# Altium PCB badge.pcbdoc
Units mm, origin at the board's own origin, x right, y up, seen from the top; angles counter-clockwise.
Board outline 243.33 x 129.71 mm, 2 copper layers (Top Layer, Bottom Layer); 75 components, 45 nets, 226 pads, 128 vias.
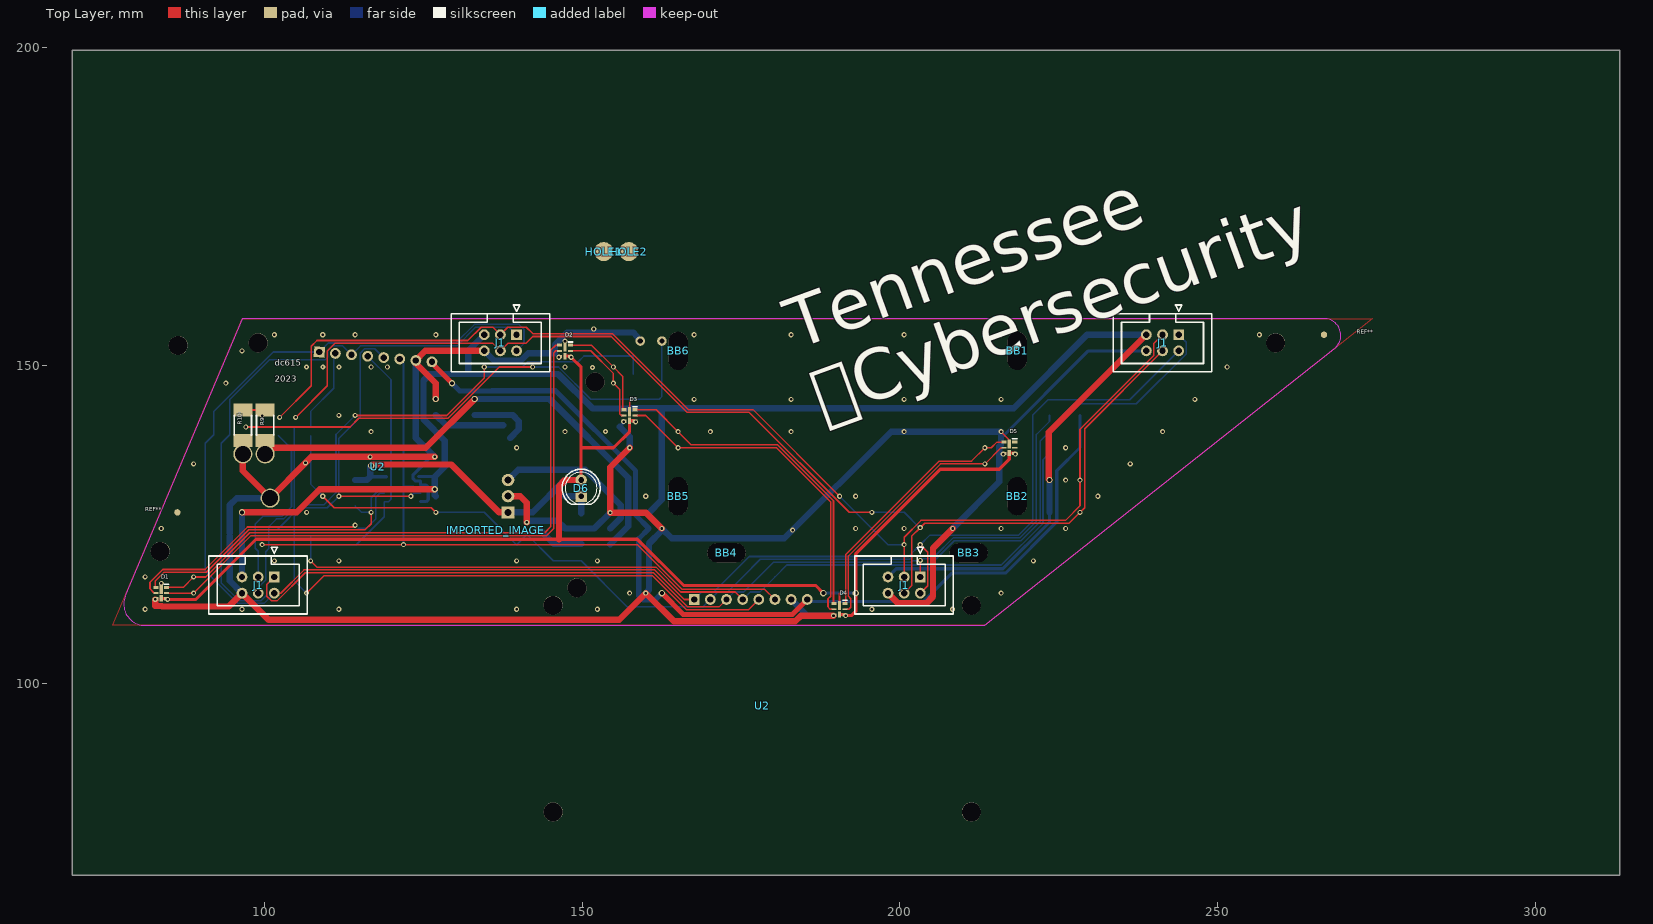
[diagram p0: Top Layer view]
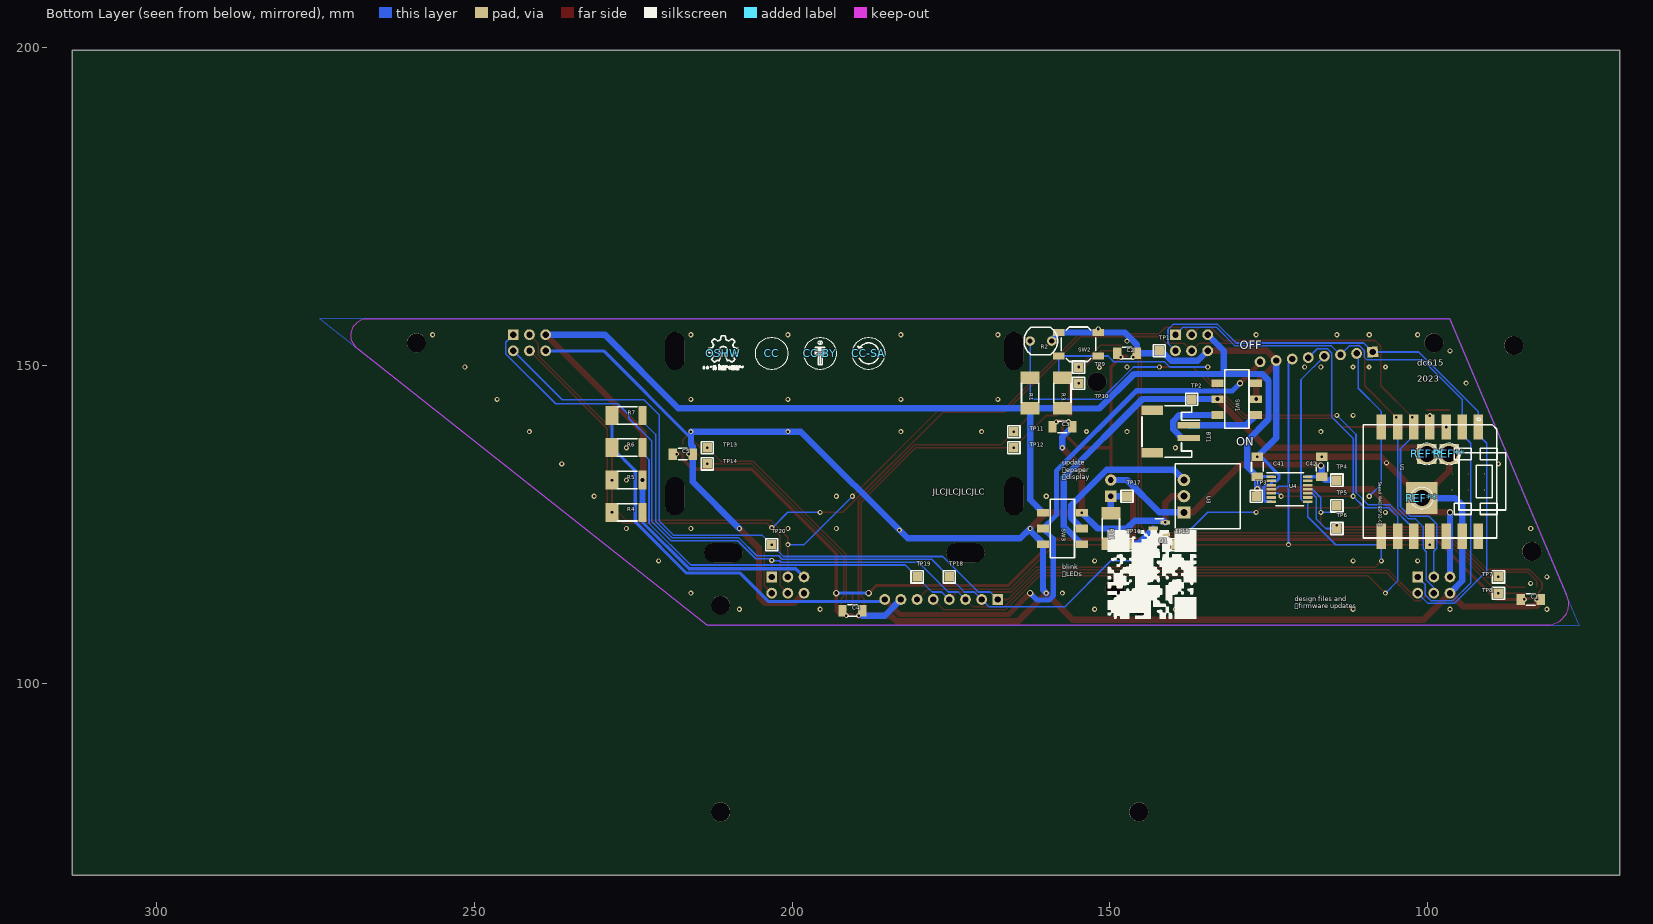
[diagram p1: Bottom Layer view, seen from below]

## Layer stack, top to bottom
Top Layer: signal copper (thickness not stored)
Dielectric: dielectric 0.32, FR-4, Dk 4.8
Bottom Layer: signal copper (thickness not stored)

## Board outline
313.181,69.85 69.85,69.85 69.85,199.56 313.181,199.56

## Components (designator, comment, footprint, x,y, rotation, side; value= is the part's Value field where it differs from the comment)
BB1 "MountingHole_2.2mm_M2_DIN965_Pad" MountingHole:MountingHole_2.2mm_M2_DIN965_Pad 218.44,152.308 r0 top
BB2 "MountingHole_2.2mm_M2_DIN965_Pad" MountingHole:MountingHole_2.2mm_M2_DIN965_Pad 218.44,129.448 r0 top
BB3 "MountingHole_2.2mm_M2_DIN965_Pad" MountingHole:MountingHole_2.2mm_M2_DIN965_Pad 210.82,120.558 r90 top
BB4 "MountingHole_2.2mm_M2_DIN965_Pad" MountingHole:MountingHole_2.2mm_M2_DIN965_Pad 172.72,120.558 r90 top
BB5 "MountingHole_2.2mm_M2_DIN965_Pad" MountingHole:MountingHole_2.2mm_M2_DIN965_Pad 165.1,129.448 r0 top
BB6 "MountingHole_2.2mm_M2_DIN965_Pad" MountingHole:MountingHole_2.2mm_M2_DIN965_Pad 165.1,152.308 r0 top
BT1 "Battery" Connector_JST:JST_PH_S2B-PH-SM4-TB_1x02-1MP_P2.00mm_Horizontal 140.454,139.608 r270 bottom
C1 "1u" Capacitor_SMD:C_1206_3216Metric_Pad1.33x1.80mm_HandSolder 83.82,113.208 r180 bottom
C2 "1u" Capacitor_SMD:C_1206_3216Metric_Pad1.33x1.80mm_HandSolder 147.32,151.958 r180 bottom
C3 "1u" Capacitor_SMD:C_1206_3216Metric_Pad1.33x1.80mm_HandSolder 157.48,140.348 r180 bottom
C4 "1u" Capacitor_SMD:C_1206_3216Metric_Pad1.33x1.80mm_HandSolder 190.5,111.468 r180 bottom
C5 "1u" Capacitor_SMD:C_1206_3216Metric_Pad1.33x1.80mm_HandSolder 217.204,136.066 r180 bottom
C41 "1u" Capacitor_SMD:C_1206_3216Metric_Pad1.33x1.80mm_HandSolder 126.83,134.065 r90 bottom
C42 "1u" Capacitor_SMD:C_1206_3216Metric_Pad1.33x1.80mm_HandSolder 116.67,134.065 r90 bottom
CC "Symbol_CreativeCommons_Silkscreen_Type2_Small" extra:Symbol_CreativeCommons_Silkscreen_Type2_Small 203.2,151.904 r180 bottom
CC-BY "Symbol_CC-Attribution_Silkscreen_Small" extra:Symbol_CC-Attribution_Silkscreen_Small 195.58,151.904 r180 bottom
CC-SA "Symbol_CC-ShareAlike_Silkscreen_Small" extra:Symbol_CC-ShareAlike_Silkscreen_Small 187.96,151.904 r180 bottom
D1 "APA102" led_smd:led-apa102-2020 83.82,114.208 r180 top
D2 "APA102" led_smd:led-apa102-2020 147.32,152.308 r180 top
D3 "APA102" led_smd:led-apa102-2020 157.48,142.148 r180 top
D4 "APA102" led_smd:led-apa102-2020 190.5,111.668 r180 top
D5 "APA102" led_smd:led-apa102-2020 217.204,137.066 r180 top
D6 "LED" LED_THT:LED_D5.0mm 149.86,129.448 r90 top
HOLE1 "device_ef4b" footprint_742a#1 153.416,167.929 r0 bottom
HOLE2 "device_ef4b" footprint_742a#2 157.353,167.929 r0 top
IMPORTED_IMAGE "IMPORTED_IMAGE" IMPORTED_IMAGE 136.398,124.114 r0 top
J1 "SAO V.1.69bis master" Connector_IDC:IDC-Header_2x03_P2.54mm_Vertical 243.84,154.848 r270 top
J1 "SAO V.1.69bis master" Connector_IDC:IDC-Header_2x03_P2.54mm_Vertical 139.7,154.848 r270 top
J1 "SAO V.1.69bis master" Connector_IDC:IDC-Header_2x03_P2.54mm_Vertical 203.2,116.748 r270 top
J1 "SAO V.1.69bis master" Connector_IDC:IDC-Header_2x03_P2.54mm_Vertical 101.6,116.748 r270 top
OSHW "OSHW-Logo2_7.3x6mm_SilkScreen" Symbol:OSHW-Logo2_7.3x6mm_SilkScreen 210.82,151.904 r180 bottom
Q1 "BSS138" Package_TO_SOT_SMD:SOT-23 142.24,124.368 r0 bottom
R1 "10k" Resistor_SMD:R_2010_5025Metric_Pad1.40x2.65mm_HandSolder 162.56,145.701 r90 bottom
R2 "LDR07" OptoDevice:R_LDR_5.1x4.3mm_P3.4mm_Vertical 162.56,153.855 r180 bottom
R3 "10k" Resistor_SMD:R_2010_5025Metric_Pad1.40x2.65mm_HandSolder 157.48,145.701 r90 bottom
R4 "10k" resistor_smd:r_2010_5025metric_pad1.40x2.65mm_handsolder#1 225.92,126.908 r0 bottom
R5 "10k" resistor_smd:r_2010_5025metric_pad1.40x2.65mm_handsolder#1 225.92,131.988 r0 bottom
R6 "10k" resistor_smd:r_2010_5025metric_pad1.40x2.65mm_handsolder#2 225.92,137.108 r180 bottom
R7 "10k" resistor_smd:r_2010_5025metric_pad1.40x2.65mm_handsolder#3 225.92,142.148 r180 bottom
R9 "100k" Resistor_SMD:R_2010_5025Metric_Pad1.40x2.65mm_HandSolder 100.159,140.608 r90 top
R10 "100k" Resistor_SMD:R_2010_5025Metric_Pad1.40x2.65mm_HandSolder 96.649,140.608 r270 top
R11 "150" Resistor_SMD:R_2010_5025Metric_Pad1.40x2.65mm_HandSolder 149.86,124.368 r270 bottom
REF** "Fiducial_1mm_Mask3mm" Fiducial:Fiducial_1mm_Mask3mm 266.7,154.848 r0 top
REF** "Fiducial_1mm_Mask3mm" Fiducial:Fiducial_1mm_Mask3mm 86.36,126.908 r0 top
REF** "TestPoint_Pad_D3.0mm" TestPoint:TestPoint_Pad_D3.0mm#1 100.159,136.093 r180 bottom
REF** "TestPoint_Pad_D3.0mm" TestPoint:TestPoint_Pad_D3.0mm#2 100.95,129.148 r180 bottom
REF** "TestPoint_Pad_D3.0mm" TestPoint:TestPoint_Pad_D3.0mm#1 96.649,136.093 r180 bottom
SW1 "power" "extra:MSS-22D18G2 hand-solderable" 130.05,144.728 r90 bottom
SW2 "SW_Push" Button_Switch_SMD:SW_SPST_SKQG_WithoutStem 154.94,153.348 r180 bottom
SW3 "update epaper" "extra:MSS-22D18G2 hand-solderable" 157.48,124.368 r270 bottom
TP1 "0V" TestPoint:TestPoint_Pad_1.5x1.5mm 142.24,152.308 r180 bottom
TP2 "3.8V" TestPoint:TestPoint_Pad_1.5x1.5mm 137.16,144.688 r180 bottom
TP3 "3.3V" TestPoint:TestPoint_Pad_1.5x1.5mm 127,129.448 r180 bottom
TP4 "5V" TestPoint:TestPoint_Pad_1.5x1.5mm 114.3,131.988 r180 bottom
TP5 "D1in" TestPoint:TestPoint_Pad_1.5x1.5mm 114.3,127.918 r180 bottom
TP6 "D1clk" TestPoint:TestPoint_Pad_1.5x1.5mm 114.3,124.368 r180 bottom
TP7 "D2in" TestPoint:TestPoint_Pad_1.5x1.5mm 88.9,116.748 r180 bottom
TP8 "D2clk" TestPoint:TestPoint_Pad_1.5x1.5mm 88.9,114.208 r180 bottom
TP9 "D3in" TestPoint:TestPoint_Pad_1.5x1.5mm 154.94,149.768 r180 bottom
TP10 "D3clk" TestPoint:TestPoint_Pad_1.5x1.5mm 154.94,147.228 r180 bottom
TP11 "D4in" TestPoint:TestPoint_Pad_1.5x1.5mm 165.1,139.608 r180 bottom
TP12 "D4clk" TestPoint:TestPoint_Pad_1.5x1.5mm 165.1,137.068 r180 bottom
TP13 "D5in" TestPoint:TestPoint_Pad_1.5x1.5mm 213.36,137.068 r180 bottom
TP14 "D5clk" TestPoint:TestPoint_Pad_1.5x1.5mm 213.36,134.528 r180 bottom
TP15 "Qin" TestPoint:TestPoint_Pad_1.5x1.5mm 139.7,121.828 r180 bottom
TP16 "Qout" TestPoint:TestPoint_Pad_1.5x1.5mm 147.32,121.828 r180 bottom
TP17 "LEDin" TestPoint:TestPoint_Pad_1.5x1.5mm 147.32,129.448 r180 bottom
TP18 "/RST" TestPoint:TestPoint_Pad_1.5x1.5mm 175.26,116.748 r180 bottom
TP19 "/CS" TestPoint:TestPoint_Pad_1.5x1.5mm 180.34,116.748 r180 bottom
TP20 "BUSY" TestPoint:TestPoint_Pad_1.5x1.5mm 203.2,121.828 r180 bottom
U1 "Seeed XIAO ESP32-C3" "extra:Seeed XIAO ESP32-C3 hand-solderable" 110.178,140.665 r270 bottom
U2 "MH-ET_epaper_ 2.13" "extra:MH-ET_epaper_ 2.13" 167.64,113.208 r0 top
U2 "MH-ET_epaper_ 2.13" "extra:MH-ET_epaper_ 2.13" 108.68,152.131 r355 top
U3 "5V boost converter" "extra:boost converter module" 138.365,126.908 r270 bottom
U4 "TXS0104EPWR" Package_SO:TSSOP-14_4.4x5mm_P0.65mm 121.75,130.548 r180 bottom

## Footprints (in the part's own frame and the unit in brackets; to place one, negate y for a bottom-side part, rotate by r counter-clockwise, add the part's x,y. Pads: shape width x height; smd on the part's side, far side on the other; paste and mask are expansions set on the pad)
Button_Switch_SMD:SW_SPST_SKQG_WithoutStem [mm]
  rect 1.8x1.1 smd paste+0 mask+0.051: 1(-3.1,1.85) 2(-3.1,-1.85) 3(3.1,1.85) 4(3.1,-1.85)
  silkscreen extent -2.72,-2.72 2.72,2.72
Capacitor_SMD:C_1206_3216Metric_Pad1.33x1.80mm_HandSolder [mm]
  rect 1.325x1.8 smd paste+0 mask+0.051: 1(-1.562,0) 2(1.562,0)
  silkscreen extent -0.71,-0.91 0.71,0.91
Connector_IDC:IDC-Header_2x03_P2.54mm_Vertical [mm]
  rect 1.7x1.7 hole 1 paste+0 mask+0.051: 1(0,0)
  round 1.7 hole 1 paste+0 mask+0.051: 2(2.54,0) 3(0,-2.54) 4(2.54,-2.54) 5(0,-5.08) 6(2.54,-5.08)
  silkscreen extent -4.68,-10.29 5.83,5.21
Connector_JST:JST_PH_S2B-PH-SM4-TB_1x02-1MP_P2.00mm_Horizontal [mm]
  rect 1x3.5 smd paste+0 mask+0.051: 1(-1,2.85) 2(1,2.85)
  rect 1.5x3.4 smd paste+0 mask+0.051: 3(3.35,-2.9) MP(-3.35,-2.9)
  silkscreen extent -4.06,-4.51 4.06,4.6
"extra:boost converter module" [mm]
  rect 1.905x2 hole 1.1 paste+0 mask+0.051: 1(0,0)
  oval 1.905x2 hole 1.1 paste+0 mask+0.051: 2(-2.54,0) 3(-5.08,0)
  silkscreen extent -7.66,-1.37 2.58,8.87
"extra:MH-ET_epaper_ 2.13" [mm]
  rect 1.7x1.7 hole 1 paste+0 mask+0.051: 1(0,0)
  round 1.7 hole 1 paste+0 mask+0.051: 2(2.54,0) 3(5.08,0) 4(7.62,0) 5(10.16,0) 6(12.7,0) 7(15.24,0) 8(17.78,0)
  round 3 hole 3 unplated paste+0 mask+0.051: 9(-22.2,-33.42) 10(43.6,-0.92) 11(43.6,-33.42) 12(-22.2,-0.92)
"extra:MSS-22D18G2 hand-solderable" [mm]
  rect 1.2x1.9 smd paste+0 mask+0.051: 1(-2.5,3.05) 2(0,3.05) 3(2.5,3.05) 4(-2.5,-3.05) 5(0,-3.05) 6(2.5,-3.05)
  silkscreen extent -4.61,-1.91 4.61,1.91
"extra:Seeed XIAO ESP32-C3 hand-solderable" [mm]
  rect 4x1.5 smd paste+0 mask+0.051: 1(0.333,18.118) 2(0.333,15.578) 3(0.333,13.038) 4(0.333,10.498) 5(0.333,7.958) 6(0.333,5.418) 7(0.333,2.878) 8(17.498,2.878) 9(17.498,5.418) 10(17.498,7.958) 11(17.498,10.498) 12(17.498,13.038) 13(17.498,15.578) 14(17.498,18.118)
  round 3 hole 2.5 paste+0 mask+0.051: 15(4.572,10.019) 16(4.572,13.529) GND(11.517,9.228)
  round 0.1 smd paste+0 mask+0.051: 17(7.699,19.068) 18(10.239,19.068) 19(7.699,16.528) 20(10.239,16.528) 21(7.699,13.988) 22(10.239,13.988)
  silkscreen extent -1.14,0 17.8,22.42
extra:Symbol_CC-Attribution_Silkscreen_Small [mm]
  silkscreen extent -2.54,-2.54 2.54,2.54
extra:Symbol_CC-ShareAlike_Silkscreen_Small [mm]
  silkscreen extent -2.54,-2.54 2.54,2.54
extra:Symbol_CreativeCommons_Silkscreen_Type2_Small [mm]
  silkscreen extent -2.54,-2.54 2.54,2.54
Fiducial:Fiducial_1mm_Mask3mm [mm]
  round 1 smd paste+0 mask+1: 1(0,0)
footprint_742a#1 [mm]
  round 3 smd far side paste+0 mask+0.051: 1(0,0)
footprint_742a#2 [mm]
  round 3 smd paste+0 mask+0.051: 1(0,0)
IMPORTED_IMAGE [mm]
led_smd:led-apa102-2020 [mm]
  rect 0.8x0.5 smd paste+0 mask+0.051: 1(-0.85,0.9) 3(-0.85,-0.9) 4(0.85,-0.9) 8(0.85,0.9)
  rect 0.8x0.3 smd paste+0 mask+0.051: 2(-0.85,0) 5(0.85,0)
  rect 0.5x1.448 smd paste+0 mask+0.051: 6(0,-0.59)
  rect 0.5x0.991 smd paste+0 mask+0.051: 7(0,0.83)
  silkscreen extent -1.2,-1.4 -0.5,-1.4
LED_THT:LED_D5.0mm [mm]
  rect 1.8x1.8 hole 0.9 paste+0 mask+0.051: 1(0,0)
  round 1.8 hole 0.9 paste+0 mask+0.051: 2(2.54,0)
  silkscreen extent -1.29,-2.99 4.26,2.99
MountingHole:MountingHole_2.2mm_M2_DIN965_Pad [mm]
  oval 3x6 hole 3 slot 6 at 90 deg unplated paste+0 mask+0.051: 1(0,0)
OptoDevice:R_LDR_5.1x4.3mm_P3.4mm_Vertical [mm]
  round 1.5 hole 0.8 paste+0 mask+0.051: 1(0,0) 2(3.4,0)
  silkscreen extent -0.95,-2.15 4.32,2.17
Package_SO:TSSOP-14_4.4x5mm_P0.65mm [mm]
  rect 1.475x0.4 smd paste+0 mask+0.051: 1(-2.862,1.95) 2(-2.862,1.3) 3(-2.862,0.65) 4(-2.862,0) 5(-2.862,-0.65) 6(-2.862,-1.3) 7(-2.862,-1.95) 8(2.862,-1.95) 9(2.862,-1.3) 10(2.862,-0.65) 11(2.862,0) 12(2.862,0.65) 13(2.862,1.3) 14(2.862,1.95)
  silkscreen extent -3.6,-2.61 2.2,2.61
Package_TO_SOT_SMD:SOT-23 [mm]
  rect 1.475x0.6 smd paste+0 mask+0.051: 1(-0.937,0.95) 2(-0.937,-0.95) 3(0.937,0)
  silkscreen extent -1.67,-1.56 0.65,1.56
Resistor_SMD:R_2010_5025Metric_Pad1.40x2.65mm_HandSolder [mm]
  rect 2x3 smd paste+0 mask+0.051: 1(-2.4,0) 2(2.4,0)
  silkscreen extent -1.53,-1.36 1.53,1.36
resistor_smd:r_2010_5025metric_pad1.40x2.65mm_handsolder#1 [mm]
  rect 1.27x3 smd paste+0 mask+0.051: 1(-2.4,0)
  rect 2x3 smd paste+0 mask+0.051: 2(2.4,0)
  silkscreen extent -1.53,-1.36 1.53,1.36
resistor_smd:r_2010_5025metric_pad1.40x2.65mm_handsolder#2 [mm]
  rect 2x3 smd paste+0 mask+0.051: 1(-2.4,0)
  rect 1.27x3 smd paste+0 mask+0.051: 2(2.4,0)
  silkscreen extent -1.53,-1.36 1.53,1.36
resistor_smd:r_2010_5025metric_pad1.40x2.65mm_handsolder#3 [mm]
  rect 1.999x3 smd paste+0 mask+0.051: 1(-2.4,0)
  rect 1.27x3 smd paste+0 mask+0.051: 2(2.4,0)
  silkscreen extent -1.53,-1.36 1.53,1.36
Symbol:OSHW-Logo2_7.3x6mm_SilkScreen [mm]
  silkscreen extent -3.12,-2.57 3.16,2.76
TestPoint:TestPoint_Pad_1.5x1.5mm [mm]
  rect 1.5x1.5 smd paste+0 mask+0.051: 1(0,0)
  silkscreen extent -0.95,-0.95 0.95,0.95
TestPoint:TestPoint_Pad_D3.0mm#1 [mm]
  rect 3.1x3.1 smd paste+0 mask+0.051: 1(0,0)
  silkscreen extent -1.75,-1.75 1.75,1.75
TestPoint:TestPoint_Pad_D3.0mm#2 [mm]
  rect 5x5 smd paste+0 mask+0.051: 1(0,0)
  silkscreen extent -1.75,-1.75 1.75,1.75

## Free pads (board coordinates)
  round 3 hole 3 unplated mask+0.051: LANYARD(99.06,153.578) LANYARD(259.08,153.578)
  round 3 smd far side paste+0 mask+0.051: LANYARD(99.06,153.578) LANYARD(259.08,153.578)
  round 3 smd paste+0 mask+1: LANYARD(99.06,153.578) LANYARD(259.08,153.578)

## Via types
v1: diameter 0.8, hole 0.4, Top Layer to Bottom Layer, 111 vias
v2: diameter 1, hole 0.6, Top Layer to Bottom Layer, 10 vias
v3: diameter 0.787, hole 0.305, Top Layer to Bottom Layer, 5 vias
v4: diameter 0.787, hole 0.4, Top Layer to Bottom Layer, 2 vias

## Nets (pads, with @x,y where several pads share a name; then routed paths per layer and width w, separated by ;. In a path a pad name is that pad's centre, name@x,y a point inside that pad or via, vN(x,y) a via of type N, cw(c..) or ccw(c..) an arc to the next point about the centre after c; other vN are vias at no path point)
+3V3: C41.1 J1.5 R1.1 R3.1 R4.1 R5.1 SW3.4 TP3.1 U1.12 U4.1 | length 275.4
  Top Layer w1: v2(96.52,126.908) 105.124,126.908 108.764,130.548 v2(126.83,130.548) ; v2(223.52,131.988) 223.406,132.102 223.406,139.494 J1.5@238.76,154.848
  Bottom Layer w0.5: U4.1@124.29,132.548 C41.1@126.785,132.548 ; J1.5@198.12,116.748 199.42,118.048 216.185,118.048 223.52,125.383 R4.1
  Bottom Layer w1: J1.5@96.52,116.748 v2(96.52,126.908) ; TP3.1 126.83,129.618 v2(126.83,130.548) C41.1 128.43,134.103 128.43,138.178 125.062,141.546 125.062,147.654 126.076,148.668 146.228,148.668 151.658,143.238 R3.1@157.543,143.238 ; 132.08,148.668 132.08,152.308 J1.5@134.62,154.848 ; R3.1 R1.1 ; SW3.4 162.56,128.898 R1.1 ; R4.1 v2(223.52,131.988) ; J1.5@238.76,154.848 229.419,154.848 217.872,143.301 R1.1
+5V: C1.1 C2.1 C3.1 C4.1 C5.1 C42.1 D1.1 D1.7 D2.1 D2.7 D3.1 D3.7 D4.1 D4.7 D5.1 D5.7 D6.2 TP4.1 U3.1 U4.14 | length 250.9
  Top Layer w0.5: D1.7 84.65,113.378 v1(84.82,113.208) 89.249,113.208 98.719,122.678 158.698,122.678 165.968,115.408 186.76,115.408 v2(187.96,114.208) ; D2.7 148.1,151.478 v1(148.27,151.308) 149.86,149.718 149.86,137.068 ; D6.2 149.86,137.068 ; v1(158.43,141.148) 158.26,141.318 D3.7 157.48,139.608 154.94,137.068 149.86,137.068 ; D4.7 191.28,110.838 v1(191.45,110.668) 192.345,110.668 193.04,111.362 193.04,120.378 206.339,133.678 215.646,133.678 217.204,135.236 D5.7 217.984,136.236 v1(218.154,136.066)
  Top Layer w1: v2(116.832,134.266) 116.994,134.428 129.409,134.428 136.929,126.908 U3.1 ; 146.37,122.653 146.37,131.038 147.32,131.988 D6.2
  Bottom Layer w0.5: C42.1 U4.14@119.21,132.503 ; v2(187.96,114.208) v2(193.04,114.208)
  Bottom Layer w1: TP4.1 116.155,131.988 C42.1 116.67,134.104 v2(116.832,134.266) ; U3.1 142.24,126.908 147.32,131.988 D6.2
/BAT+: R9.1 REF**.1@100.159,136.093 SW1.2 SW3.3 TP2.1 U1.15 | length 77.5
  Top Layer w1: U1.15 101.134,137.068 125.44,137.068 v2(133.1,144.728)
  Bottom Layer w1: v2(133.1,144.728) 144.878,144.728 157.28,132.326 157.28,124.718 SW3.3
/CS{SLASH}OE: R6.2 TP19.1 U1.8 U2.4 U4.8 | length 179.9
  Top Layer w0.25: v1(107.3,119.288) 108.286,118.302 161.624,118.302 165.544,114.383 174.085,114.383 U2.4@175.26,113.208
  Bottom Layer w0.25: v1(107.3,119.288) U1.8 ; U1.8@107.3,121.828 114.479,121.828 118.887,126.237 U4.8 119.576,128.598 119.95,128.972 119.95,147.788 U2.4@116.271,151.467 ; U2.4@175.26,113.208 176.435,114.383 177.975,114.383 TP19.1 182.215,118.623 215.947,118.623 222.495,125.171 222.495,135.194 223.52,136.219 R6.2
/D2CK: D1.2 D2.5 TP8.1 | length 93.8
  Top Layer w0.25: D1.2 v1(88.9,114.208) 97.945,123.253 144.43,123.253 145.545,124.368 145.545,151.983 145.87,152.308 D2.5
/D2IN: D1.3 D2.4 TP7.1 | length 93.8
  Top Layer w0.25: D1.3 87.26,115.108 v1(88.9,116.748) 90.804,116.748 97.759,123.703 144.115,123.703 145.095,124.683 145.095,152.433 145.87,153.208 D2.4
/D3CK: D2.2 D3.5 TP10.1 | length 15.6
  Top Layer w0.25: D2.2@148.27,152.308 151.375,152.308 154.94,148.743 v1(154.94,147.228) 155.905,146.263 155.905,142.398 156.155,142.148 D3.5@156.53,142.148
/D3IN: D2.3 D3.4 TP9.1 | length 15.6
  Top Layer w0.25: D2.3 151.5,153.208 v1(154.94,149.768) 156.38,148.328 156.38,143.298 D3.4
/D4CK: D3.2 D4.5 TP12.1 | length 54.2
  Top Layer w0.25: D3.2 160.02,142.148 v1(165.1,137.068) 180.582,137.068 189.1,128.55 189.1,113.718 188.685,113.303 188.685,112.033 189.05,111.668 D4.5
/D4IN: D3.3 D4.4 TP11.1 | length 53.2
  Top Layer w0.25: D3.3 161.66,143.048 v1(165.1,139.608) 167.19,137.518 180.768,137.518 189.55,128.736 D4.4@189.55,112.668
/D5CK: D4.2 D5.5 TP14.1 | length 40.8
  Top Layer w0.25: D4.2 191.95,111.668 192.275,111.993 192.275,113.343 191.9,113.718 191.9,120.052 206.376,134.528 v1(213.36,134.528) 215.897,137.066 D5.5
/D5IN: D4.3 D5.4 TP13.1 | length 39.8
  Top Layer w0.25: D4.3@191.45,112.668 191.45,120.238 206.19,134.978 211.27,134.978 v1(213.36,137.068) 214.357,137.068 215.255,137.966 D5.4
/GPIO1{SLASH}DC: J1.1 U1.2 U2.3 | length 276.2
  Top Layer w0.25: J1.1@101.6,116.748 100.425,115.573 100.425,113.721 101.113,113.033 102.087,113.033 106.456,117.402 161.252,117.402 166.621,112.033 171.545,112.033 U2.3@172.72,113.208 ; J1.1@203.2,116.748 v1(203.2,119.348)
  Bottom Layer w0.25: J1.1@101.6,116.748 100.425,115.573 100.425,113.911 99.547,113.033 96.033,113.033 93.275,115.791 93.275,137.776 94.6,139.101 U1.2 94.6,144.672 100.814,150.885 109.587,150.885 110.035,151.333 110.035,152.396 110.724,153.085 112.344,153.085 113.741,151.688 115.144,153.092 130.324,153.092 133.255,156.023 138.525,156.023 J1.1@139.7,154.848 ; U2.3@172.72,113.208 173.895,114.383 175.435,114.383 180.125,119.073 201.718,119.073 201.933,119.288 v1@203.17,119.288
  Bottom Layer w0.254: v1(203.2,119.348) 203.473,119.621 205.728,119.621 208.542,122.435 219.05,122.435 222.043,125.428 222.043,138.096 225.679,141.732 225.679,142.26 227.394,143.975 237.171,143.975 245.017,151.82 245.017,153.671 J1.1@243.84,154.848
/GPIO2{SLASH}BUSY: J1.2 TP20.1 U1.1 U2.1 | length 278.2
  Top Layer w0.25: J1.2@101.6,114.208 102.625,114.208 106.269,117.852 161.438,117.852 166.082,113.208 U2.1@167.64,113.208 ; J1.2@203.2,114.208 204.375,115.383 204.375,120.653 v1(203.2,121.828)
  Bottom Layer w0.25: J1.2@101.6,114.208 99.975,112.583 95.847,112.583 90.735,117.695 90.735,137.776 92.06,139.101 U1.1 92.06,142.768 101.423,152.131 108.68,152.131 110.091,153.542 130.137,153.542 133.068,156.473 140.095,156.473 140.875,155.693 140.875,153.483 J1.2@139.7,152.308 ; U2.1@167.64,113.208 168.815,114.383 170.667,114.383 170.684,114.365 176.292,119.973 201.345,119.973 v1(203.2,121.828) 204.709,123.337 218.676,123.337 220.891,125.552 220.891,142.238 223.283,144.63 236.162,144.63 J1.2@243.84,152.308
/LS_MOSI: D1.4 TP5.1 U4.11 | length 48.2
  Top Layer w0.25: D1.4@82.87,115.208 82.87,116.098 84.245,117.473 90.892,117.473 97.572,124.153 115.868,124.153 116.84,125.125 v1(116.84,126.908)
  Bottom Layer w0.25: TP5.1 115.31,126.908 v1(116.84,126.908) 116.84,129.189 118.199,130.548 U4.11
/LS_SCLK: D1.5 TP6.1 U4.10 | length 46.3
  Top Layer w0.25: D1.5@82.72,114.208 82.045,114.883 82.045,115.91 84.058,117.923 90.706,117.923 97.386,124.603 114.025,124.603 v1(114.3,124.878)
  Bottom Layer w0.25: TP6.1@114.809,124.368 116.083,124.368 117.565,125.85 117.565,129.264 118.199,129.898 U4.10
/MISO{SLASH}VBUTTON1: R3.2 SW2.2 SW2.4 U1.10 | length 76.3
  Top Layer w0.25: v1(114.3,142.148) 128.717,142.148 134.62,148.051 v1(134.62,149.768)
  Bottom Layer w0.25: U1.10@102.22,124.352 105.951,128.083 109.37,128.083 111.31,130.023 111.31,139.158 v1(114.3,142.148) ; v1(134.62,149.768) 140.61,149.768 141.425,150.583 149.383,150.583 150.298,151.498 SW2.4 SW2.2 R3.2@158.04,148.661
/MOSI: U1.11 U2.6 U4.4 | length 116.3
  Top Layer w0.25: v1(99.68,121.828) v1(121.92,121.828) 158.735,121.828 165.73,114.833 178.715,114.833 U2.6@180.34,113.208
  Bottom Layer w0.25: U2.6@121.332,151.024 121.92,150.436 121.92,130.548 ; v1(121.92,121.828) 121.92,130.548 ; U4.4@123.924,130.548 123.472,131 121.92,131 121.92,130.548
/RESET{SLASH}LED: Q1.1 R7.2 TP15.1 TP18.1 U1.7 U2.2 | length 167.3
  Top Layer w0.25: v1(109.22,129.448) 111.035,127.633 126.275,127.633 v1(127,126.908)
  Bottom Layer w0.25: U1.7@107.3,138.987 107.3,131.368 v1(109.22,129.448) ; U1.7 107.3,142.768 110.956,146.424 110.956,151.656 U2.2@111.21,151.91 ; v1(127,126.908) 134.605,126.908 TP15.1@139.685,121.828 ; TP15.1@139.712,121.828 Q1.1 ; Q1.1@141.337,123.418 145.466,119.288 149.86,119.288 157.115,112.033 169.005,112.033 170.18,113.208 171.355,114.383 172.895,114.383 TP18.1 178.035,119.523 201.531,119.523 202.081,120.073 205.541,120.073 208.355,122.887 218.862,122.887 221.468,125.492 221.468,139.16 223.52,141.212 R7.2
/SCL: J1.4 R4.2 U1.6 | length 217.5
  Top Layer w0.25: v1(104.96,141.832) 109.939,146.811 109.939,152.3 111.122,153.483 135.985,153.483 137.16,152.308 138.335,153.483 141.15,153.483 142.24,154.573 154.578,154.573 166.528,142.623 176.299,142.623 192.014,126.908 v1(195.58,126.908) ; J1.4@200.66,114.208 201.835,115.383 201.835,123.143 v1(203.2,124.508) 203.885,125.193 226.605,125.193 v1(228.32,126.908) 229.045,127.633 229.045,140.053 J1.4@241.3,152.308
  Bottom Layer w0.25: J1.4@99.06,114.208 99.06,115.086 100.235,116.261 100.235,120.732 100.755,121.253 100.755,124.693 101.936,125.873 103.039,125.873 104.76,127.595 U1.6 ; v1(195.58,126.908) 200.66,126.908 203.06,124.508 v1(203.2,124.508)
/SCLK: U1.9 U2.5 U4.5 | length 138.3
  Top Layer w0.25: v1(106.68,114.208) 109.424,116.952 161.065,116.952 166.434,111.583 176.175,111.583 U2.5@177.8,113.208 ; v1(111.76,129.448) v1(123.093,129.448)
  Bottom Layer w0.25: U1.9 104.76,126.256 106.138,127.633 109.945,127.633 v1(111.76,129.448) 111.76,138.583 115.096,141.919 115.096,151.954 115.784,152.642 117.405,152.642 U2.5@118.801,151.246 ; U1.9@104.76,123.668 104.76,116.128 v1(106.68,114.208) ; v1(123.093,129.448) 123.543,129.898 U4.5
/SDA: J1.3 R5.2 U1.5 | length 218.6
  Top Layer w0.25: v1(102.42,141.832) 107.399,146.811 107.399,153.027 108.305,153.933 132.043,153.933 134.133,156.023 135.985,156.023 137.16,154.848 138.335,156.023 141.24,156.023 142.24,155.023 154.765,155.023 166.715,143.073 176.875,143.073 v1(190.5,129.448) ; J1.3@200.66,116.748 v1(200.66,121.828) 200.66,122.993 203.31,125.643 226.029,125.643 228.32,127.933 v1(228.32,131.988) 228.32,139.964 239.935,151.579 239.935,153.483 J1.3@241.3,154.848
  Bottom Layer w0.25: J1.3@99.06,116.748 99.06,120.798 98.605,121.253 98.605,125.083 99.846,126.323 102.852,126.323 104.31,127.781 104.31,136.897 U1.5@102.22,138.987 ; v1(190.5,129.448) 198.12,121.828 v1(200.66,121.828)
/SW_+3V3: R6.1 R7.1 SW3.5 U2.8 | length 152.7
  Top Layer w0.8: U2.8@126.392,150.376 v2(129.54,147.228) ; v2(162.56,114.208) 165.91,110.858 183.07,110.858 U2.8@185.42,113.208
  Bottom Layer w0.5: U2.8@185.42,113.208 185.72,112.908 203.738,112.908 208.178,117.348 216.598,117.348 224.67,125.419 224.67,133.458 R6.1 R7.1
  Bottom Layer w0.8: v2(129.54,147.228) 130.74,146.028 135.81,146.028 135.82,146.038 145.835,146.038 158.43,133.443 158.43,126.468 SW3.5 158.92,122.758 158.92,113.752 159.564,113.108 161.46,113.108 v2(162.56,114.208)
/SW_VBAT+: SW3.2 U3.3 | length 25
  Bottom Layer w1: U3.3 139.965,133.588 150.523,133.588 156.08,128.031 156.08,126.018 SW3.2
/VDARK: R1.2 R2.1 U1.3 | length 80.3
  Top Layer w0.25: v1(97.14,140.332) 113.509,140.332 114.875,141.698 128.903,141.698 136.973,149.768 v1(142.24,149.768)
  Bottom Layer w0.25: v1(142.24,149.768) 146.295,149.768 151.375,144.688 162.123,144.688 162.56,145.124 R1.2 R2.1
/VMEASURE: R9.2 R10.1 U1.4 | length 3.5
  Top Layer w0.25: R10.1 R9.2
  other v1: 99.68,142.132
GND: C1.2 C2.2 C3.2 C4.2 C5.2 C41.2 C42.2 D1.6 D1.8 D2.6 D2.8 D3.6 D3.8 D4.6 D4.8 D5.6 D5.8 J1.6 Q1.2 R2.2 R10.2 REF**.1@96.649,136.093 REF**.1@100.95,129.148 SW1.5 SW2.1 SW2.3 SW3.1 SW3.6 TP1.1 U1.13 U1.16 U1.GND U2.7 U3.2 U4.2 U4.3 U4.7 | length 448.5
  Top Layer w0.25: D3.6 157.48,144.688 ; D4.6 190.5,114.208 ; v1(215.9,139.608) 217.204,138.304 D5.6
  Top Layer w1: v1(82.87,113.208) 82.87,112.178 83.9,112.178 83.97,112.108 94.42,112.108 96.52,114.208 100.694,110.034 155.846,110.034 v1(160.02,114.208) 164.47,109.758 183.525,109.758 184.435,110.668 v1(189.55,110.668) ; U1.16 96.649,133.449 U1.GND v1(106.505,134.703) 107.43,135.628 v1(116.67,135.628) v1(126.83,135.628) ; v2(127,144.728) 127,147.228 123.862,150.366 123.862,150.803 125.367,152.308 J1.6@134.62,152.308 ; U3.2 140.27,129.448 141.302,128.416 v1(141.302,125.318) ; v1(157.48,137.068) 154.43,134.018 v1(154.43,126.868) 160.06,126.868 v1(162.56,124.368) ; J1.6@198.12,114.208 199.67,112.658 204.19,112.658 205.2,113.668 205.2,121.288 v1(208.28,124.368)
  Bottom Layer w0.5: U4.7 125.478,128.598 125.8,128.92 125.8,130.876 125.478,131.198 U4.3 U4.2 123.747,131.848 123.425,132.17 123.425,132.826 C41.2@126.227,135.628 ; C3.2 156.549,140.98 v1(156.549,141.168) ; 215.9,137.537 215.9,136.42 v1(216.254,136.066) ; 215.9,138.568 229.639,152.308 J1.6@238.76,152.308
  Bottom Layer w1: U1.13 94.6,116.128 J1.6@96.52,114.208 ; U1.13@94.6,123.668 94.6,128.076 95.673,129.148 U1.GND ; U2.7@123.862,150.803 123.862,138.596 v1(126.83,135.628) ; J1.6@134.62,152.308 136.17,150.758 140.342,150.758 141.542,151.958 C2.2 145.757,153.285 147.32,154.848 147.67,155.198 SW2.3 152.75,155.198 SW2.1 159.16,153.998 R2.2 ; v1(141.302,125.318) 141.552,125.568 146.12,125.568 147.32,124.368 151.93,124.368 v1(154.43,126.868) ; C3.2 157.48,138.785 v1(157.48,137.068) ; v1(160.02,114.208) 160.53,114.718 160.53,122.004 162.56,124.034 v1(162.56,124.368) 164.116,122.812 181.816,122.812 198.612,139.608 215.876,139.608 215.9,139.584 215.9,138.568 215.9,137.537 215.642,137.279 C5.2 215.642,131.73 v1(208.28,124.368) ; U2.7@182.88,113.208 185.42,110.668 C4.2@188.937,110.668
  other v1: 81.28,111.668 96.52,111.668 111.76,111.668 139.7,111.668 152.4,111.668 195.58,111.668 208.28,111.668 157.48,114.208 215.9,114.208 81.28,116.748 101.6,119.288 111.76,119.288 139.7,119.288 152.4,119.288 220.98,119.288 183.126,124.122 83.82,124.368 193.04,124.368 200.66,124.368 215.9,124.368 226.06,124.368 106.68,126.908 160.02,129.448 193.04,129.448 231.14,129.448 226.06,131.988 88.9,134.528 236.22,134.528 139.7,137.068 226.06,137.068 116.84,139.608 147.32,139.608 170.18,139.608 182.88,139.608 200.66,139.608 241.3,139.608 111.76,142.148 167.64,144.688 182.88,144.688 200.66,144.688 215.9,144.688 246.38,144.688 93.98,147.228 116.84,149.768 119.38,149.768 147.32,149.768 251.46,149.768 146.37,151.308 96.52,152.308 101.6,154.848 109.22,154.848 114.3,154.848 127,154.848 167.64,154.848 182.88,154.848 200.66,154.848 215.9,154.848 256.54,154.848 151.84,155.748
  other v3: 153.67,139.608 151.637,149.718 106.68,149.768 109.22,149.768 111.76,149.768
  other v4: 83.82,115.748 147.32,153.855
NET-(BT1-+): BT1.2 SW1.1 | length 10.6
  Bottom Layer w1: SW1.1 139.078,142.228 140.054,141.251 140.054,139.964 BT1.2@138.698,138.608
NET-(BT1--): BT1.1 SW1.4 | length 11.3
  Bottom Layer w1: SW1.4 128.62,140.608 BT1.1
NET-(D6-K): D6.1 R11.1 TP17.1 | length 5.2
  Bottom Layer w1: TP17.1 D6.1 R11.1
NET-(Q1-D): Q1.3 R11.2 TP16.1 | length 7.7
  Bottom Layer w1: Q1.3 145.577,121.968 R11.2
UNCONNECTED-(D5-CKO-PAD2): D5.2
UNCONNECTED-(D5-SDO-PAD3): D5.3
UNCONNECTED-(SW1A-C-PAD3): SW1.3
UNCONNECTED-(SW1B-C-PAD6): SW1.6
UNCONNECTED-(U1-5V-PAD14): U1.14
UNCONNECTED-(U1-EN-PAD19): U1.19
UNCONNECTED-(U1-GND-PAD20): U1.20
UNCONNECTED-(U1-MTCK-PAD22): U1.22
UNCONNECTED-(U1-MTDI-PAD17): U1.17
UNCONNECTED-(U1-MTDO-PAD18): U1.18
UNCONNECTED-(U1-MTMS-PAD21): U1.21
UNCONNECTED-(U4-B1-PAD13): U4.13
UNCONNECTED-(U4-B2-PAD12): U4.12
"": BB1.1 BB2.1 BB3.1 BB4.1 BB5.1 BB6.1 BT1.3 BT1.MP HOLE1.1 HOLE2.1 pad.LANYARD REF**.1@86.36,126.908 REF**.1@266.7,154.848 U2.9 U2.10 U2.11 U2.12 U4.6 U4.9

## Polygon pours and split planes (outlines as drawn)
GND on Top Layer (solid, remove dead copper, pour order 0): 274.32,157.388 213.36,109.128 76.2,109.128 96.52,157.388 269.24,157.388
GND on Bottom Layer (solid, remove dead copper, pour order 1): 274.32,157.388 213.36,109.128 76.2,109.128 96.52,157.388 269.24,157.388

## Keep-outs
Board Outline Layer:
  lines w0.15 net "": 78.268,114.009 96.52,157.388 266.7,157.388 cw(c266.701,154.74) 268.322,152.645 213.36,109.128 81.28,109.128 cw(c81.282,112.499) 78.268,114.009

## Silkscreen, mask and mechanical layers (free items; w line width, h text height)
Top Silkscreen Layer:
  text "dc615" at 101.645,149.977 h0.97
  text "2023" at 101.645,147.437 h0.97
  text "Tennessee /  Cybersecurity" at 187.843,141.292 h7.96 r20
Bottom Silkscreen Layer:
  text "OFF" at 129.6,152.587 h1.3
  text "dc615" at 101.645,149.977 h0.97
  text "2023" at 101.645,147.437 h0.97
  text "ON" at 130.11,137.347 h1.3
  text "update /  epaper /  display" at 157.526,132.138 h0.75
  text "JLCJLCJLCJLC" at 177.845,129.657 h0.97
  text "blink /  LEDs" at 157.522,116.895 h0.72
  text "design files and /  firmware updates" at 120.91,111.816 h0.72
Mech6:
  lines w0.025 net "": 165.1,120.558 218.44,120.558 218.44,157.388 165.1,157.388 165.1,120.558
Mech15:
  drawing of 2520 lines, arcs and shapes, not listed